# Altium PCB LimeSDR_Mini_1v3_Rounded_old.PcbDoc (part 6 of 6)
Units mm, origin at the board's own origin, x right, y up, seen from the top; angles counter-clockwise.
Board outline 69 x 31.37 mm, 8 copper layers (Top, L2, L3, L4, L5, L6, L7, Bottom), stack 1.555 mm thick; 420 components, 288 nets, 1774 pads, 821 vias.
Unrouted connection lines stored in the file: 4.
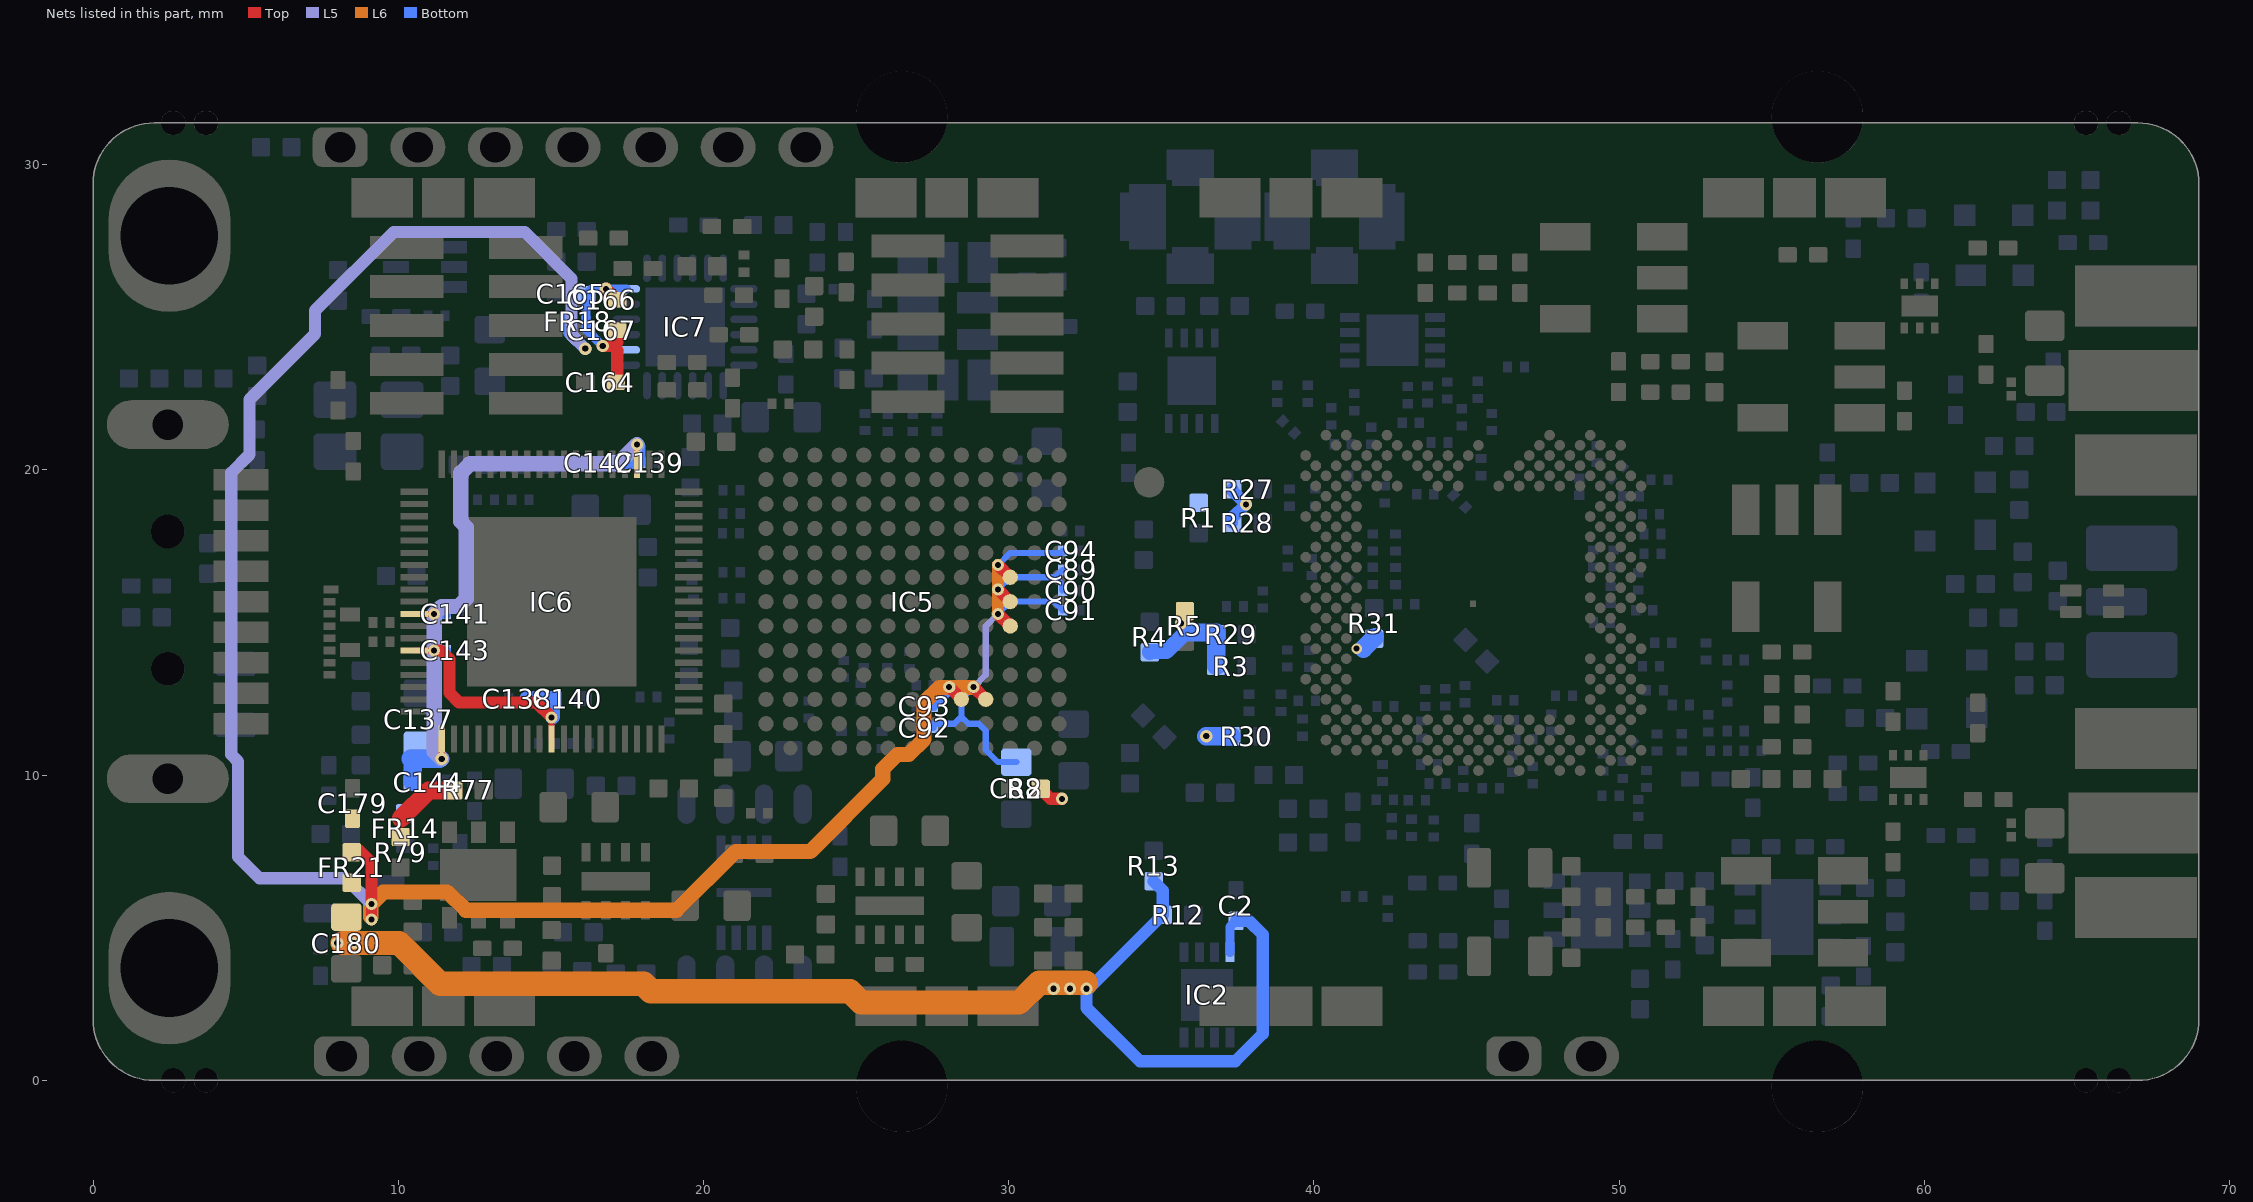
[diagram p12: the nets of this part, all layers, seen from the top]

## Via types
v1: diameter 0.4, hole 0.2, Top to Bottom, tented both sides, 601 vias
v2: diameter 0.4, hole 0.2, Top to Bottom, tented top, 99 vias
v3: diameter 0.35, hole 0.2, Top to Bottom, tented top, 79 vias
v4: diameter 0.5, hole 0.2, Top to Bottom, tented bottom, 25 vias
v5: diameter 0.35, hole 0.2, Top to Bottom, tented both sides, 9 vias
v6: diameter 0.5, hole 0.2, Top to Bottom, tented both sides, 8 vias

## Nets (pads, with @x,y where several pads share a name; then routed paths per layer and width w, separated by ;. In a path a pad name is that pad's centre, name@x,y a point inside that pad or via, vN(x,y) a via of type N, cw(c..) or ccw(c..) an arc to the next point about the centre after c; other vN are vias at no path point) (continued)
VD10_FT: C137.2 C138.2 C139.1 C140.1 C141.1 C142.1 C143.1 C144.1 FR14.1 IC6.3 IC6.30 IC6.33 IC6.39 IC6.48 | length 30.5
  Top w0.2: IC6.33@10.525,14.085 v1(11.175,14.085) ; IC6.30@10.525,15.285 v1(11.175,15.285) ; v1(11.425,10.535) IC6.39@11.425,11.185 ; IC6.48@15.025,11.185 v1@15.025,11.835 ; IC6.3@17.825,20.185 v1(17.825,20.835)
  Top w0.4: v1(11.175,14.085) 11.39,14.085 11.675,13.8 11.675,12.7 11.99,12.385 14.525,12.385 v1(15.025,11.885)
  L5 w0.5: v1(11.425,10.535) 11.175,10.785 v1(11.175,15.285) 11.415,15.525 11.975,15.525 12.225,15.775 12.225,18.134 12.05,18.309 12.05,19.907 12.343,20.2 17.19,20.2 v1(17.825,20.835)
  Bottom w0.3: v1(11.175,14.085) C143.1@11.585,14.085 ; v1(11.175,15.285) C141.1@11.585,15.285
  Bottom w0.4: C142.1@17.075,20.235 C139.1@17.87,20.235 ; v1(17.825,20.835) 17.895,20.765 C139.1@17.895,20.235
  Bottom w0.5: C138.2@14.225,12.51 C140.1@15.05,12.51 v1@15.05,11.91
  Bottom w0.6: C137.2@10.4,10.535 C137.2@10.475,10.535 ; C144.1@10.475,9.775 C137.2@10.475,10.535 ; v1@11.35,10.535 C137.2@10.475,10.535
VDIO_LMS: C2.1 C180.2 FR21.2 IC2.8 R1.2 R2.2 R3.1 R4.1 R5.2 R12.1 R13.1 R27.1 R28.1 R29.1 R30.1 R31.1 | length 51.8
  Top w0.4: R2.2@31.05,9.55 31.375,9.225 v1(31.75,9.225) ; v1(35.65,14.978) 35.775,15.103 R5.2@35.775,15.375
  L6 w0.8: v1@8.175,4.5 10.025,4.5 11.365,3.16 18.04,3.16 18.275,2.925 24.8,2.925 25.175,2.55 30.35,2.55 31,3.2 32.525,3.2
  Bottom w0.3: IC2.8@37.25,4.2 37.25,5.025 C2.1@37.45,5.225
  Bottom w0.4: v1(31.475,3) v1(32.013,3) v1(32.55,3) ; R13.1@34.75,6.525 35.05,6.225 R12.1@35.05,5.425 32.625,3 v1(32.55,3) ; R28.1@37.322,18.275 37.322,18.422 v1(37.775,18.875) 37.326,19.324 R27.1@37.326,19.371 ; C2.1@37.45,5.225 37.875,5.225 38.325,4.775 38.325,1.525 37.425,0.625 34.3,0.625 32.55,2.375 v1(32.55,3)
  Bottom w0.5: R4.1@34.625,14.025 34.625,14.053 35.175,14.053 35.8,14.678
  Bottom w0.6: 35.8,14.678 36.801,14.678 36.801,14.671 R3.1@36.8,13.575 ; v1(36.475,11.278) R30.1@37.3,11.278 ; 41.627,14.147 R31.1@42.001,14.521
  other v1: 8,4.5 8.55,4.5
  other v3: 41.401,14.146
VDIO_LMS_FPGA: C88.2 C89.1 C90.1 C91.1 C92.1 C93.1 C94.1 C179.2 FR18.1 FR21.1 IC5.J3 IC5.K3 IC5.L6 IC5.L7 IC5.L8 R77.2 R79.2 | length 88.3
  Top w0.4: FR21.1@8.725,7.525 9.118,7.132 v1(9.118,5.782) v1(9.118,5.275) ; v1(28.05,12.885) IC5.J3@28.45,12.485 ; v1(28.85,12.885) IC5.K3@29.25,12.485 ; v1(29.65,15.285) IC5.L6@30.05,14.885 ; v1(29.65,16.085) IC5.L7@30.05,15.685 ; v1(29.65,16.885) IC5.L8@30.05,16.485
  Top w0.6: 10.087,8.587 11,9.5 R77.2@11.8,9.5
  L5 w0.2: v1(28.85,12.885) 29.25,13.285 29.25,14.885 v1(29.65,15.285)
  L5 w0.4: v1(9.118,5.275) v1(9.118,5.782) 8.275,6.625 5.45,6.625 4.75,7.325 4.75,10.45 4.525,10.675 4.525,19.907 5.125,20.507 5.125,22.307 7.275,24.457 7.275,25.225 9.85,27.8 14.143,27.8 15.675,26.268 15.675,24.425 v1(16.125,23.975)
  L6 w0.4: v1@29.645,15.29 29.65,15.295 v1(29.65,16.885)
  L6 w0.5: v1@9.1,5.35 9.1,5.764 v1(9.118,5.782) 9.511,6.175 11.614,6.175 12.214,5.575 19.125,5.575 21.05,7.5 23.5,7.5 25.875,9.875 25.875,10.2 26.35,10.675 26.725,10.675 27.225,11.175 27.225,12.375 27.725,12.875 v1@28.85,12.875
  Bottom w0.2: C92.1@27.53,11.55 27.53,11.685 28.216,11.685 28.45,11.919 ; v1(28.85,12.885) 28.45,12.485 28.45,11.919 ; v1(29.65,15.285) 30.05,15.685 31.485,15.685 C91.1@31.77,15.4 ; v1(29.65,16.085) 30.05,16.485 31.53,16.485 ; v1(29.65,16.885) 30.05,17.285 31.77,17.285 C94.1@31.77,17.35 ; C88.2@30.25,10.425 29.65,10.425 29.25,10.825 29.25,11.451 29.016,11.685 28.684,11.685 28.45,11.919 ; C90.1@31.77,16.05 31.77,16.245 31.53,16.485 ; C89.1@31.77,16.725 31.53,16.485
  Bottom w0.3: C93.1@27.53,12.25 28.05,12.77 v1(28.05,12.885)
  Bottom w0.4: 15.595,25.05 FR18.1@15.595,24.875 15.595,24.505 v1(16.125,23.975)
VDIO_LMS_LMK: C164.2 C165.2 C166.2 C167.2 FR18.2 IC7.14 IC7.18 | length 6
  Top w0.4: v1(16.7,24.06) 17.04,24.06 ; v1(16.8,25.935) 16.815,25.935 C166.2@17.175,25.575 ; C164.2@17.125,22.875 17.175,22.925 17.175,23.925 17.04,24.06 ; C167.2@17.175,24.575 17.175,24.195 17.04,24.06
  Bottom w0.3: v1(16.7,24.06) 16.155,24.605 FR18.2@16.155,24.875 16.155,25.755 C165.2@16.175,25.775 16.335,25.935 v1(16.8,25.935) IC7.18@17.475,25.935
pads on no net: C1.0 C2.0 C3.0 C4.0 C5.0 C6.0 C7.0 C8.0 C9.0 C10.0 C11.0 C12.0 C13.0 C14.0 C15.0 C16.0 C17.0 C18.0 C19.0 C20.0 C21.0 C22.0 C23.0 C24.0 C25.0 C26.0 C27.0 C28.0 C29.0 C87.0 C88.0 C95.0 C102.0 C108.0 C112.0 C123.0 C124.0 C125.0 C126.0 C127.0 C128.0 C137.0 C140.0 C142.0 C144.0 C145.0 C147.0 C148.0 C149.0 C150.0 C151.0 C152.0 C153.0 C154.0 C155.0 C156.0 C157.0 C158.0 C159.0 C160.0 C161.0 C162.0 C163.0 C164.0 C165.0 C166.0 C167.0 C168.0 C169.0 C170.0 C171.0 C172.0 C173.0 C174.0 C175.0 C176.0 C177.0 C178.0 C179.0 C180.0 C181.0 C182.0 C183.0 C184.0 C185.0 C186.0 C187.0 C188.0 C189.0 C191.0 C192.0 C193.0 ESD3.9 ESD3.10 FL1.1 FR11.0 FR12.0 FR13.0 FR14.0 FR20.0 FR21.0 FR22.0 FR34.0 FR35.0 IC1.A5 IC1.A13 IC1.A21 IC1.AA1 IC1.AA3 IC1.AA5 IC1.AB2 IC1.AB4 IC1.AB6 IC1.AC3 IC1.AC5 IC1.AD2 IC1.AE1 IC1.AE5 IC1.AG3 IC1.AG33 IC1.AH2 IC1.AH4 IC1.AH32 IC1.AJ1 IC1.AJ3 IC1.AJ5 IC1.AJ11 IC1.AJ13 IC1.AJ21 IC1.AJ27 IC1.AJ29 IC1.AJ31 IC1.AJ33 IC1.AK2 IC1.AK4 IC1.AK6 IC1.AK8 IC1.AK10 IC1.AK26 IC1.AK28 IC1.AK30 IC1.AK32 IC1.AK34 IC1.AL3 IC1.AL5 IC1.AL7 IC1.AL9 IC1.AL11 IC1.AL27 IC1.AL29 IC1.AL31 IC1.AL33 IC1.AM4 IC1.AM6 IC1.AM8 IC1.AM10 IC1.AM12 IC1.AM28 IC1.AM30 IC1.AM34 IC1.AN3 IC1.AN5 IC1.AN7 IC1.AN11 IC1.AN27 IC1.AN29 IC1.AN31 IC1.AP6 IC1.AP30 IC1.AP32 IC1.B2 IC1.B4 IC1.B12 IC1.B14 IC1.B22 IC1.C1 IC1.C3 IC1.C5 IC1.C9 IC1.C11 IC1.C13 IC1.C15 IC1.C17 IC1.C19 IC1.C31 IC1.D2 IC1.D4 IC1.D8 IC1.D10 IC1.D12 IC1.D14 IC1.D18 IC1.D22 IC1.D30 IC1.D32 IC1.E3 IC1.E9 IC1.E11 IC1.E13 IC1.E15 IC1.E23 IC1.E29 IC1.E31 IC1.F2 IC1.F4 IC1.F10 IC1.F12 IC1.F14 IC1.F16 IC1.F22 IC1.F26 IC1.F32 IC1.G1 IC1.G29 IC1.J1 IC1.M2 IC1.M6 IC1.P2 IC1.R3 IC1.R5 IC1.T4 IC1.T6 IC1.U1 IC1.U3 IC1.U5 IC1.V2 IC1.V4 IC1.V6 IC1.W3 IC1.Y2 IC1.Y4 IC1.Y6 IC5.E3 IC5.E4 IC6.17 IC6.18 IC6.19 IC7.4 IC7.9 IC7.10 IC7.15 IC8.9 J4.6 J4.7 J4.8 J7.11 LED1.0 LED2.0 MN1.0 MN2.0 MN3.0 MN4.0 MN5.0 MN6.0 MN7.0 MN8.0 MN9.0 MN10.0 MN11.0 MN12.0 MN13.0 MN14.0 MN15.0 MN16.0 MN17.0 MN18.0 MN19.0 MN20.0 MN21.0 MN22.0 MN23.0 MN24.0 R1.0 R2.0 R3.0 R4.0 R5.0 R6.0 R7.0 R8.0 R9.0 R10.0 R11.0 R12.0 R13.0 R14.0 R15.0 R16.0 R17.0 R18.0 R19.0 R20.0 R21.0 R22.0 R23.0 R24.0 R25.0 R27.0 R28.0 R29.0 R30.0 R31.0 R34.0 R35.0 R36.0 R37.0 R38.0 R39.0 R40.0 R41.0 R42.0 R43.0 R44.0 R45.0 R46.0 R47.0 R48.0 R49.0 R50.0 R51.0 R52.0 R53.0 R54.0 R55.0 R56.0 R57.0 R58.0 R59.0 R60.0 R61.0 R62.0 R63.0 R64.0 R65.0 R66.0 R67.0 R68.0 R69.0 R70.0 R71.0 R72.0 R73.0 R74.0 R75.0 R76.0 R77.0 R78.0 R79.0 R80.0 R81.0 R82.0 R83.0 R84.0 R85.0 R86.0 R87.0 R88.0 R89.0 R90.0 R93.0 R94.0 R95.0 R96.0 R97.0 T1.2 T2.2 T3.2 T4.2 VT4.0 XO1.2 XO1.3 XO1.5 XO1.8 XO1.10 XT1.0

## Polygon pours and split planes (outlines as drawn)
GND on L3 "NONET_L03_P018" (solid, remove dead copper, shelved, pour order 18): 0,2 0,29.37 cw(c2,29.37) 2,31.37 67,31.37 cw(c67,29.37) 69,29.37 69,2 cw(c67,2) 67,0 2,0 cw(c2,2)
VDIO_LMS on L3 "VDIO_LMS_L03_P002" (solid, remove dead copper, pour order 2): 31.05,3.1 31.05,5.725 32.625,7.3 32.625,8.05 31.525,9.15 31.525,13.25 37.475,19.2 38.4,19.2 41.925,15.675 41.925,12.05 35.9,6.025 35.9,5.425 33.2,2.725 31.425,2.725
GND on L2 "NONET_L02_P005" (solid, remove dead copper, shelved, pour order 5): 0,2 0,29.37 cw(c2,29.37) 2,31.37 67,31.37 cw(c67,29.37) 69,29.37 69,2 cw(c67,2) 67,0 2,0 cw(c2,2)
VCC3P3 on L2 "VCC3P3_L02_P001" (solid, remove dead copper, pour order 1): 20.8,9.575 20.8,12.135 18.008,14.927 18.008,16.033 18.46,16.485 19.045,16.485 21.53,16.485 22.99,15.025 26.65,15.025 27.35,15.725 27.533,15.908 27.533,16.735 28.475,17.677 28.475,19.402 34.875,25.802 34.875,26.1 34.6,26.375 33.075,26.375 32.525,25.825 31.3,25.825 30.513,25.038 27.787,25.038 25.55,22.8 21.525,22.8 21.15,22.8 20.625,22.275 20.625,21.9 20.35,21.625 19.925,21.625 19.775,21.775 19.775,22.125 19.525,22.375 19.325,22.375 19.107,22.15 19.107,20.882 18.31,20.085 10.81,20.085 9.65,18.925 9.65,11.3 11.55,9.4 12.15,9.4 14.075,7.475 14.075,6.45 14.375,6.125 15.25,6.125 15.525,6.4 15.525,8.45 15.9,8.825 17.547,8.825 17.85,8.522 17.85,8.2 18.35,7.7 18.925,7.7
USB_GND on L2 "USB_GND_L02_P003" (solid, remove dead copper, pour order 3): 10,8.75 11.175,9.925 11.175,13.225 11.175,19.175 10.05,20.3 6.075,20.3 2.125,20.3 1.25,19.425 1.25,10.5 3,8.75
GND on L6 "NONET_L06_P021" (solid, remove dead copper, shelved, pour order 21): 0,2 0,29.37 cw(c2,29.37) 2,31.37 67,31.37 cw(c67,29.37) 69,29.37 69,2 cw(c67,2) 67,0 2,0 cw(c2,2)
VCC1P8_LMS on L6 "VCC1P8_LMS_L06_P000" (solid, remove dead copper, pour order 0): 31.65,8.35 36.9,8.35 37.275,7.975 37.901,7.975 38.276,8.35 42.55,8.35 42.925,7.975 45,7.975 46.5,6.475 50.825,6.475 51.25,6.9 51.25,18.35 47.25,22.35 38.475,22.35 38.175,22.65 38.175,23.3 39.275,24.4 48.675,24.4 57.25,15.825 57.25,9.5 55.875,8.125 55.875,4.25 52.6,0.975 51.175,0.975 49.35,2.8 35.4,2.8 31.275,6.925 31.275,7.975
GND on Top "NONET_L01_P004" (solid, remove dead copper, shelved, pour order 4): 0,2 0,29.37 cw(c2,29.37) 2,31.37 67,31.37 cw(c67,29.37) 69,29.37 69,2 cw(c67,2) 67,0 2,0 cw(c2,2)
GND on L7 "NONET_L07_P022" (solid, remove dead copper, shelved, pour order 22): 0,2 0,29.37 cw(c2,29.37) 2,31.37 67,31.37 cw(c67,29.37) 69,29.37 69,2 cw(c67,2) 67,0 2,0 cw(c2,2)
GND on Bottom "NONET_L08_P023" (solid, remove dead copper, shelved, pour order 23): 0,2 0,29.37 cw(c2,29.37) 2,31.37 67,31.37 cw(c67,29.37) 69,29.37 69,2 cw(c67,2) 67,0 2,0 cw(c2,2)
GND on L5 "NONET_L05_P020" (solid, remove dead copper, shelved, pour order 20): 0,2 0,29.37 cw(c2,29.37) 2,31.37 67,31.37 cw(c67,29.37) 69,29.37 69,2 cw(c67,2) 67,0 2,0 cw(c2,2)
GND on L4 "NONET_L04_P019" (solid, remove dead copper, shelved, pour order 19): 0,2 0,29.37 cw(c2,29.37) 2,31.37 67,31.37 cw(c67,29.37) 69,29.37 69,2 cw(c67,2) 67,0 2,0 cw(c2,2)

## Other copper
Top:
  region net GND: 11.519,14.456 11.106,14.456 11.1,14.975 11.423,14.975 11.519,15.071 11.519,15.685 12.512,15.685 12.525,15.672 12.525,13.525 12.45,13.525
  region net VCC3P3: 20.075,7.975 21.1,7.975 21.3,7.775 21.3,7.075 21.15,6.925 19.025,6.925
  region net VCC5P0_USB: 16.625,7.15 16.625,7.725 16.275,8.075 16.275,9.475 17.5,9.475 17.5,8.15 17.075,7.725 17.075,7.15
  region net VCC3P3: 18.05,8.625 19.425,8.625 20.075,7.975 20.075,7.075 19.925,6.925 18.175,6.925 17.925,7.175 17.925,8.5
  region net VCC5P0_USB: 25.6,6.35 25.6,6.925 25.25,7.275 25.25,8.675 26.475,8.675 26.475,7.35 26.05,6.925 26.05,6.35
  region net VCC1P8: 27.15,7.45 28.975,7.45 29.15,7.275 29.15,6.325 29.025,6.2 27.075,6.2 26.9,6.375 26.9,7.2
  region net GND: 54.825,19.808 55.142,20.125 58.283,20.125 61.491,16.916 61.825,17.25 58.475,20.6 54.525,20.6 54.325,20.4 54.325,20.279 54.825,19.779
  region net GND: 48.675,14.147 49.65,14.147 48.7,15.1 48.675,15.1
  region net GND: 58.725,25.575 56.69,25.575 56.69,23.733 58.725,23.733
  region net GND: 56.14,3.4 55.77,3.03 58.75,3.03 58.75,4.632 58.54,4.842 56.35,4.842 56.14,4.632
  region net GND: 53.005,19.9 53.005,17.5 54.817,17.5 54.817,19.9
  region net GND: 3.4,19.05 5.75,19.05 5.75,18.325 3.4,18.325
  region net GND: 62.275,22.125 62.025,22.125 61.9,22 61.9,21.775 61.975,21.7 62.475,21.7 63.075,22.3 63.075,22.575 62.65,22.575 62.65,22.5
  region net GND: 63,8.125 63.2,7.925 63.2,7.55 63.1,7.45 62.7,7.45 62.55,7.6 62.55,7.975 62.7,8.125
  region net VCC1P8_LMS: 57.31,10.225 57.135,10.4 56.866,10.4 56.693,10.227 56.693,9.877 57.308,9.877
  region net VCC1P8_LMS: 57.31,9.529 57.131,9.35 56.87,9.35 56.693,9.527 56.693,9.877 57.308,9.877
  region net VCC1P8_LMS: 53.675,9.529 53.854,9.35 54.116,9.35 54.293,9.527 54.293,9.877 53.677,9.877
  region net VCC1P8_LMS: 53.675,10.225 53.85,10.4 54.12,10.4 54.293,10.227 54.293,9.877 53.677,9.877
  region net VDIO_LMS_FPGA: 10.375,7.675 10.375,8.525 10.025,8.875 8.25,8.875 8.175,8.8 8.175,7.475 8.475,7.175 8.825,7.175 9.325,7.675
  region net NetIC14_4: 9.725,7.275 9.725,5.975 10.325,5.375 10.75,5.375 11.175,4.95 11.925,4.95 12,5.025 12,5.6 11.9,5.7 11.375,5.7 10.425,6.65 10.425,7.275
  region net GND: 21.45,11.275 21.45,10.885 22.05,10.885 21.66,11.275
  region net TX1_1_A_P: 48.48,9.907 48.427,9.96 48.427,10.102
  region net NetJ7_7: 4.85,15.345 4.025,15.345 3.875,15.195 3.625,15.195 3.525,15.295 3.525,15.685 4.85,15.685
  region net NetJ7_7: 4.85,16.025 4.025,16.025 3.875,16.175 3.625,16.175 3.525,16.075 3.525,15.685 4.85,15.685
  region net USB_VBUS: 3,12.375 3,12.995 4.28,12.995 4.3,12.975 4.3,12.4 4.275,12.375
  region net USB_VBUS: 5.75,13.045 3.975,13.045 3.8,13.22 3.225,13.22 3,12.995 3,12.695 5.75,12.695
  region net USB_VBUS: 5.75,12.325 3.975,12.325 3.8,12.15 3.225,12.15 3,12.375 3,12.675 5.75,12.675
  region net VCC3P3A: 21.95,8.55 21.7,8.3 21.7,7.075 22.225,7.075 22.825,7.675 22.825,8.925 22.75,9 22.025,9 21.95,8.925
  region net VCC1P8_LMS: 45.825,7.625 44.8,7.625 44.625,7.45 44.625,6.5 44.825,6.3 45.825,6.3
  region net VCC1P8_LMS: 45.825,3.408 44.8,3.408 44.625,3.583 44.625,4.533 44.825,4.733 45.825,4.733
  pour cut-out: 5.075,11.225 9.075,11.225 10.325,12.475 10.325,18.7 8.15,18.7 6.58,17.13 5.855,17.13 5.075,16.35
  region net VCC1P8: 21.125,26.875 20.95,27.05 20.95,27.575 21,27.625 21.77,27.625 21.825,27.57 21.825,27.05 21.65,26.875
  region net VDIO_LMS: 7.8,5.075 7.8,4.4 7.925,4.275 8.675,4.275 8.8,4.4 8.8,5.075
  region net GND: 49.675,28.825 50.125,28.375 50.125,27.6 50.525,27.2 52.25,27.2 53.425,28.375 53.425,28.825
  region net VCC3P3: 12.5,9.15 12.525,9.15 13.325,8.35 13.325,7.775 13.875,7.775 14.075,7.575 14.075,5.725 14.575,6.225 14.575,7.65 14.05,8.175 14.05,8.825 13.025,9.85 12.5,9.85
  region net VCC3P3: 14.575,6.225 14.575,5.65 13.9,4.975 13.325,4.975 13.325,5.675 13.9,5.675 14.125,5.9 14.125,6.225
  region net GND: 13.025,8.475 13.175,8.325 13.175,7.575 13.925,7.575 13.925,5.875 11.375,5.875 11.375,7.575 12.15,7.575 12.15,8.475
  region net VDIO_LMS: 8.8,6.775 8.1,6.775 7.8,6.475 7.8,5.6 8.8,5.6
  region net NetC11_2: 63.3,6.325 63.3,5.975 63.475,5.8 64.425,5.8 64.6,5.975 64.6,6.325
  region net NetC21_2: 63.3,25.025 63.3,25.25 64.125,26.075 64.4,26.075 64.6,25.875 64.6,25.025
  region net GND: 64.7,10.2 64.7,13.675 67.55,13.675 68.95,12.275 68.95,10.2
  region net GND: 64.7,24.7 64.7,28.175 67.55,28.175 68.95,26.775 68.95,24.7
  region net GND: 64.7,21.175 64.7,17.975 68.071,17.975 68.95,18.854 68.95,21.175
  region net GND: 64.7,6.675 64.7,3.2 67.55,3.2 68.95,4.6 68.95,6.675
  pour cut-out: 43.775,3.075 42.481,4.369 42.481,8.156 43.5,9.175 44.1,9.175 44.775,9.85 45.48,9.85 46.63,11 48.54,11 49.515,10.025 52.55,10.025 53.55,11.025 53.55,13.3 52.85,14 52.85,16.725 53.3,17.175 54.6,17.175 54.825,17.4 54.825,19.9 54.325,20.4 53,20.4 52.1,21.3 49.216,21.3 49.056,21.14 49.056,19.808 48.348,19.1 45.45,19.1 45.45,20.4 43.325,22.525 41.4,22.525 40.6,23.325 40.6,26.625 41.806,27.831 42.481,27.831 43.325,28.675 58.375,28.675 58.775,28.275 62.862,28.275 64.937,26.2 69,26.2 69,20.15 64.725,20.15 61.491,16.916 61.491,14.384 64.75,11.125 69,11.125 69,8.725 69,5.15 65.05,5.15 62.975,3.075
L2:
  pour cut-out: 53.325,7.325 55,7.325 55,6.425 53.325,6.425
  pour cut-out: 53.325,3.725 55,3.725 55,4.625 53.325,4.625
  pour cut-out: 56.505,7.325 58.18,7.325 58.18,6.425 56.505,6.425
  pour cut-out: 57.3,17.865 57.3,19.54 56.4,19.54 56.4,17.865
  pour cut-out: 53.7,14.685 53.7,16.36 54.6,16.36 54.6,14.685
  pour cut-out: 57.3,14.685 57.3,16.36 56.4,16.36 56.4,14.685
  pour cut-out: 57.055,21.25 58.73,21.25 58.73,22.15 57.055,22.15
  pour cut-out: 53.875,24.85 55.55,24.85 55.55,23.95 53.875,23.95
  pour cut-out: 53.875,21.25 55.55,21.25 55.55,22.15 53.875,22.15
  pour cut-out: 50.58,24.5 52.255,24.5 52.255,25.4 50.58,25.4
  pour cut-out: 47.4,28.1 49.075,28.1 49.075,27.2 47.4,27.2
  pour cut-out: 47.4,24.5 49.075,24.5 49.075,25.4 47.4,25.4
  pour cut-out: 53.425,22.24 52.81,22.24 52.81,22.865 53.425,22.865
  pour cut-out: 50.235,22.24 49.71,22.24 49.71,22.865 50.235,22.865
  pour cut-out: 50.235,23.86 49.71,23.86 49.71,23.235 50.235,23.235
  pour cut-out: 52.335,22.81 52.335,22.285 51.71,22.285 51.71,22.81
  pour cut-out: 50.715,22.81 50.715,22.285 51.34,22.285 51.34,22.81
  pour cut-out: 52.335,23.81 52.335,23.285 51.71,23.285 51.71,23.81
  pour cut-out: 50.715,23.81 50.715,23.285 51.34,23.285 51.34,23.81
  pour cut-out: 54.69,9.575 55.315,9.575 55.315,10.2 54.69,10.2
  pour cut-out: 55.69,9.575 56.315,9.575 56.315,10.2 55.69,10.2
  pour cut-out: 56.31,10.675 56.31,11.2 55.685,11.2 55.685,10.675
  pour cut-out: 54.69,10.675 54.69,11.2 55.315,11.2 55.315,10.675
  pour cut-out: 54.69,13.775 54.69,14.3 55.315,14.3 55.315,13.775
  pour cut-out: 56.31,13.775 56.31,14.3 55.685,14.3 55.685,13.775
  pour cut-out: 55.26,11.675 54.735,11.675 54.735,12.3 55.26,12.3
  pour cut-out: 55.26,13.295 54.735,13.295 54.735,12.67 55.26,12.67
  pour cut-out: 56.26,11.675 55.735,11.675 55.735,12.3 56.26,12.3
  pour cut-out: 56.26,13.295 55.735,13.295 55.735,12.67 56.26,12.67
  pour cut-out: 51.845,4.755 51.845,5.28 51.22,5.28 51.22,4.755
  pour cut-out: 50.225,4.755 50.225,5.28 50.85,5.28 50.85,4.755
  pour cut-out: 51.845,5.755 51.845,6.28 51.22,6.28 51.22,5.755
  pour cut-out: 50.225,5.755 50.225,6.28 50.85,6.28 50.85,5.755
  pour cut-out: 52.325,4.705 52.85,4.705 52.85,5.33 52.325,5.33
  pour cut-out: 52.325,6.325 52.85,6.325 52.85,5.7 52.325,5.7
  pour cut-out: 49.225,6.325 49.75,6.325 49.75,5.7 49.225,5.7
  pour cut-out: 49.225,4.705 49.75,4.705 49.75,5.33 49.225,5.33
  pour cut-out: 48.125,5.325 48.125,4.7 48.75,4.7 48.75,5.325
  pour cut-out: 48.125,6.325 48.125,5.7 48.75,5.7 48.75,6.325
  region net GND: 4.95,8 4.95,6.75 10.625,6.75 10.625,8
  region net USB_GND: 5.892,8.75 10,8.75 10.239,8.989 10.239,9.411 10.15,9.5 5.825,9.5 5.825,8.817
  pour cut-out: 64.72,23.937 64.72,21.937 69,21.937 69,23.937
  pour cut-out: 53.425,23.24 52.81,23.24 52.81,23.865 53.425,23.865
  pour cut-out: 47,26.49 46.5,26.49 46.5,27.115 47,27.115
  pour cut-out: 44.39,27.06 44.39,26.535 45.015,26.535 45.015,27.06
  pour cut-out: 46.01,27.06 46.01,26.535 45.385,26.535 45.385,27.06
  pour cut-out: 44.39,26.06 44.39,25.535 45.015,25.535 45.015,26.06
  pour cut-out: 46.01,26.06 46.01,25.535 45.385,25.535 45.385,26.06
  pour cut-out: 43.91,27.11 43.385,27.11 43.385,26.485 43.91,26.485
  pour cut-out: 43.91,25.49 43.385,25.49 43.385,26.115 43.91,26.115
  pour cut-out: 47,25.49 46.5,25.49 46.5,26.115 47,26.115
  pour cut-out: 63.3,7.925 63.3,8.925 64.6,8.925 64.6,7.925
  pour cut-out: 63.3,22.425 63.3,23.425 64.6,23.425 64.6,22.425
  pour cut-out: 64.72,9.437 64.72,7.437 69,7.437 69,9.437
L3:
  region net VCC5P0_USB: 5.075,10.375 5.175,10.275 5.975,10.275 6.075,10.375 6.075,11.025 5.625,11.475 5.075,11.475
  pour cut-out: 64.72,23.937 64.72,21.937 69,21.937 69,23.937
  pour cut-out: 63.3,7.925 63.3,8.925 64.6,8.925 64.6,7.925
  pour cut-out: 63.3,22.425 63.3,23.425 64.6,23.425 64.6,22.425
  pour cut-out: 64.72,9.437 64.72,7.437 69,7.437 69,9.437
L4:
  region net VCC5P0_USB: 16.225,8.55 17.35,8.55 17.6,8.3 17.6,7.15 17.3,6.85 16.225,6.85
  region net VCC5P0_USB: 24.45,7.4 24.8,7.75 26.3,7.75 26.525,7.525 26.525,6.45 26.3,6.225 25.675,6.225 25.4,5.95 24.45,6.9
  pour cut-out: 64.72,23.937 64.72,21.937 69,21.937 69,23.937
  pour cut-out: 64.72,9.437 64.72,7.437 69,7.437 69,9.437
  region net VCC1P4_LMS: 42.414,6.786 42.125,7.075 42.125,7.3 41.975,7.45 41.8,7.45 41.275,6.925 41.275,6.75 41.425,6.6 41.55,6.6 41.9,6.25 41.9,6.225
  region net VCC1P25_LMS: 50.775,7.575 50.775,7.425 50.875,7.325 50.875,7.075 50.725,6.925 50.1,6.925 49.925,7.1 49.925,7.35 50.075,7.5 50.075,7.575
L5:
  region net AVDD_FT: 10.975,9.15 10.85,9.025 10.85,8.125 10.975,8 11.375,8 11.5,8.125 11.5,9.025 11.375,9.15
  pour cut-out: 64.72,23.937 64.72,21.937 68.92,21.937 68.92,23.937
  pour cut-out: 64.72,9.437 64.72,7.437 68.92,7.437 68.92,9.437
  text "A" at 0.5,7.55 h0.7
  text "V" at 1.5,7.55 h0.7
  text "D" at 2.6,7.55 h0.7
  text "R" at 3.15,7.55 h0.7
  text "L" at 0.975,6.975 h0.7
L7:
  pour cut-out: 26.35,23.625 26.35,22.362 26.437,22.275 27.35,22.275 27.35,23.625
L6:
  region net VCC1P8: 21.075,27.2 20.95,27.325 20.95,27.5 21.437,27.987 21.825,27.6 21.825,27.3 21.725,27.2
Bottom:
  region net VCC3P3_FT: 16.775,10 16.1,10 15.85,10.25 15.85,10.575 15.225,10.575 15.1,10.45 15.1,9.225 16.35,9.225 16.775,9.65
  region net VCC3P3: 17.175,9.3 17.9,8.575 17.9,8.2 18.45,7.65 18.775,7.65 19.1,7.975 19.1,8.375 18.725,8.75 18.725,9.4 18.175,9.95 17.454,9.95 17.175,9.65
  region net VCC3P3_FT: 18.375,12.725 18.325,12.675 18.325,12.25 18.835,11.74 19.05,11.74 19.05,12.725
  region net VCC3P3_FT: 20.385,15.885 20.1,15.6 19.45,15.6 19.45,16.5 19.794,16.5 20.044,16.3 20.385,16.3 20.385,15.94
  region net VCC1P8: 22.35,11.775 22.95,11.775 23.19,11.535 23.401,11.535 23.401,10.951 23.075,10.625 22.35,10.625
  region net VCC1P8: 27.65,7.15 27.65,4.95 28.975,3.625 30.175,3.625 30.175,5.125 29.45,5.125 29.05,5.525 29.05,7.35 28.95,7.45 27.95,7.45
  region net VCC1P25_LMS: 42.5,5.979 42.421,5.9 42.2,5.9 42.075,6.025 42.5,6.45
  region net GND: 55,6.525 55,8.052 55.113,8.165 56.086,8.165 56.086,6.614 56.175,6.525
  region net GND: 56.375,3.425 55.35,3.425 54.675,4.1 54.675,4.225 56.375,4.225
  region net GND: 53.521,4.846 54.825,4.846 54.825,5.854 53.521,5.854
  region net GND: 44.95,8.45 44.95,9.52 44.875,9.595 45.5,9.595 45.52,9.575 45.425,9.48 45.425,8.55
  region net GND: 43.45,9.65 43.45,9.25 43.7,9 44.025,9 44.025,9.93 43.88,10.075
  region net GND: 25.825,24.825 26.2,24.45 26.2,23.625 25.975,23.4 25.325,23.4 25.25,23.475 25.25,23.55 25.525,23.825 25.525,24.2 25.35,24.375 25.35,24.825
  region net GND: 35.025,3.175 37.825,3.175 37.825,2.425 35.025,2.425
  region net GND: 5.425,12.367 4.275,12.367 4.275,12.158 5.425,12.158
  region net GND: 38.204,29.354 38.204,27.246 38.421,27.246 38.421,29.354
  region net GND: 68.461,16.711 67.7,15.95 67.7,15.421 68.461,14.66
  region net GND: 33.304,29.19 34.613,30.5 35.175,30.5 35.175,29.5 34.35,28.675 33.3,28.675
  region net GND: 42.125,25.4 42.125,23.25 42.975,23.25 42.975,25.4
  region net VCC3P3: 21.345,17.75 21.345,17.87 21.5,18.025 21.395,18.13 21.3,18.13 21.197,18.027 21.197,17.75
  region net GND: 25.8,24.275 25.85,24.325 25.85,24.65 25.75,24.75 25.2,24.75 25,24.55 25,24.375 25.1,24.275
  region net GND: 36.625,24.65 37.25,24.65 37.45,24.45 37.45,21.3 37.35,21.2 35.6,21.2 35.6,21.85 36.95,21.85 36.95,23.95 36.625,23.95
  region net NetC153_2: 24.1,25.475 24.4,25.775 24.4,26.125 23.925,26.6 23.5,26.6 23.075,26.175 23.075,25.775 23.375,25.475
  region net NetC21_2: 64.875,27.1 64.525,27.1 64,27.625 64,28.8 65.8,28.8 65.8,28.275 65.2,27.675 65.2,27.425
  region net NetC11_2: 62.5,7.325 64.225,7.325 64.425,7.125 64.425,5.725 64.228,5.528 62.5,5.528
  region net VCC1P8_LMS: 57.49,10.75 56.975,10.75 56.775,10.55 56.775,9.25 56.975,9.05 57.49,9.05
  region net VCC1P8_LMS: 44.042,3.392 44.133,3.3 44.892,3.3 45.1,3.508 45.1,4.067 44.042,4.067
  region net GND: 64.598,24.625 64.598,26.348 65.216,26.966 68.95,26.966 68.95,24.625
  region net GND: 64.598,24.77 64.598,24.453 68.95,24.453 68.95,24.77
  region net GND: 64.598,20.33 64.598,18.375 68.95,18.375 68.95,20.33
  region net GND: 64.598,20.33 64.598,21.15 68.796,21.15 68.796,20.33
  region net GND: 65.025,11.74 65.025,12.575 68.796,12.575 68.796,11.74
  region net GND: 12.142,18.422 17,18.425 17.714,17.711 17.714,13.039 17.671,12.996 12.153,12.996
  region net GND: 43.225,16.51 43.71,16.025 43.71,15.075 42.8,15.075 42.8,13.325 44.95,13.325 44.95,13.392 43.975,14.367 43.975,14.6 44.825,15.45 45.1,15.45 46.775,13.775 48.278,13.775 48.278,14.328 48.675,14.725 48.675,17.428 48.187,17.916 48.187,20.338 46.85,21.675 46.35,21.675 46.35,20.525 45.975,20.15 45.975,18.625 45.475,18.125 44.75,18.125 44.175,18.7 43.225,18.7
  region net NetJ7_7: 4.125,16.9 4.2,16.825 4.2,15.3 4.125,15.225 3.425,15.225 3.35,15.3 3.35,16.825 3.425,16.9
  region net VD10_FT: 10.575,8.45 10.575,8.75 10.775,8.95 10.775,11.335 10.675,11.435 9.86,11.435 9.55,11.125 9.55,8.775 9.9,8.425 10.55,8.425
  region net VCC3P3_CLK: 11.375,25.425 11.4,25.45 12.075,25.45 12.6,24.925 12.6,24.375 11.675,24.375 11.375,24.675
  region net VCC3P3_FT: 13.625,19.745 13.875,19.495 13.875,18.845 13,18.845 13,19.495 13.25,19.745
  region net VCC3P3_FT: 15.225,10.325 14.975,10.575 14.975,11.225 15.85,11.225 15.85,10.575 15.6,10.325
  region net NetC45_1: 38.988,21.345 39.501,21.857 39.501,22.157 39.501,22.282 39.401,22.382 38.276,22.382 38.251,22.357 38.251,22.082
  region net GND: 40.398,18.487 40.398,17.654 40.201,17.457 39.276,17.457 39.251,17.482 39.251,18.682 39.351,18.782 40.102,18.782
  region net VDIO_LMS: 41.226,14.232 41.776,14.782 42.026,14.782 42.026,14.257 41.626,13.857 41.426,13.857 41.226,14.057
  region net GND: 44.851,19.832 45.001,19.982 45.601,19.982 45.601,19.657 45.426,19.482 44.976,19.482
  region net NetC163_1: 9.5,26.2 9.5,25.025 9.75,24.775 11.075,24.775 11.175,24.875 11.175,25.5 10.475,26.2
  region net VDIO_LMS: 37.052,18.023 36.3,18.775 36.3,19.075 36.946,19.721 37.626,19.721 37.775,19.572 37.775,18.698
  region net USB_VBUS: 7.8,11.95 8.125,11.625 8.125,11.125 8.625,10.625 9.125,10.625 9.275,10.475 9.275,9.975 9.125,9.825 7.45,9.825 6.725,10.55 6.725,11.95
  region net VCC1P8_LMS: 44.042,4.742 44.125,4.825 44.9,4.825 45.1,4.625 45.1,4.067 44.042,4.067
  region net VCC1P8_LMS: 53.025,9.525 53.208,9.342 54.108,9.342 54.407,9.64 54.407,9.875 53.025,9.875
  region net VCC1P8_LMS: 53.025,10.225 53.208,10.408 54.108,10.408 54.283,10.233 54.283,9.875 53.025,9.875
  region net NetC45_1: 38.251,22.082 38.251,21.874 38.78,21.345 38.988,21.345
  pour cut-out: 4.55,14.225 4.55,19.175 5,19.625 8.3,19.625 8.75,19.175 8.75,14.25 8.25,13.75 5.025,13.75
  region net USB_VBUS: 5.75,12.35 5.95,12.35 7.05,11.25 7.75,11.25 8.125,11.625 8.125,13.125 7.575,13.675 5.75,13.675
  region net VCC5P0_USB: 4.025,12.05 4.025,10.925 4.75,10.2 5.825,10.2 5.975,10.35 5.975,11.575 5.5,12.05
  region net USB_VBUS: 5.75,13.675 5.375,14.05 3.975,14.05 3.55,14.05 3.125,13.625 3.125,13.2 3,13.075 3,12.275 3.125,12.15 3.825,12.15 4.15,12.475 5.625,12.475 5.75,12.35
  region net VDIO_LMS: 35.425,14.65 35.425,15.075 35.55,15.2 35.95,15.2 36.225,14.925 36.225,14.65
  region net VDIO_LMS_LMK: 16.55,24.275 16.95,24.275 17.075,24.15 17.8,24.15 17.925,24.025 17.925,23.875 17.85,23.8 16.925,23.8 16.85,23.875 16.6,23.875 16.5,23.975 16.5,24.225
  region net VCC1P8_LMS: 31.375,3.625 32.175,3.625 32.5,3.95 32.5,7.85 32.05,8.3 31.375,8.3 30.925,7.85 30.925,4.075
  region net GND: 27.55,22.234 27.55,21.93 27.65,21.83 27.042,21.826 27.125,21.93 27.45,21.93 27.45,22.234
  region net GND: 20.125,23.45 20.5,23.075 20.5,22.375 21.325,21.55 21.525,21.55 21.95,21.975 21.95,22.725 21.525,23.15 20.925,23.15 20.625,23.45
  region net GND: 18.15,22.633 18.65,22.633 18.65,23.75 18.15,23.25 18.15,22.773
  region net GND: 25.05,20.7 24.7,20.7 24.025,21.375 24.025,22.1 24.2,22.275 26.05,22.275 26.225,22.1 27.475,22.1 27.475,21.675 24.975,21.675 24.85,21.55 24.85,20.885 25.04,20.885 25.05,20.875
  region net GND: 8.925,24.775 8.8,24.9 8.8,25.025 8.725,25.1 8.425,25.1 8.025,24.7 8.025,25.7 9.4,25.7 9.4,24.775
  region net GND: 15.639,26.462 15.639,26.289 15.475,26.125 15.25,26.125 15.2,26.175 15.2,26.325 15.225,26.35 15.527,26.35
  region net VCC3P3: 21.05,17.75 21.05,18.675 20.875,18.85 21.248,18.85 21.345,18.753 21.345,18.065 21.345,17.75
  region net GND: 10.017,3.825 8.9,3.825 8.9,4.522 8.84,4.582 9.083,4.825 10.385,4.825 10.385,4.193
  region net AVDD_FT: 9.925,7.45 12.225,7.45 12.275,7.5 12.275,8.206 11.459,8.9 11.025,8.9 10.95,8.825 10.95,8.425 10.8,8.275 9.875,8.275 9.875,7.5
  region net VCC1P8_LMS: 44.042,6.967 44.8,7.725 45.1,7.725 45.1,6.967
  region net VCC1P8_LMS: 44.042,6.292 44.133,6.2 44.675,6.2 45.1,6.625 45.1,6.967 44.042,6.967
  region net GND: 11.8,10.362 11.562,10.125 11.175,10.125 11.175,9.425 11.275,9.325 12.85,9.325 12.875,9.35 12.875,10 12.85,10 12.7,10.15 12.177,10.15 12.009,10.319
  region net GND: 64.598,21.105 64.598,21.34 64.68,21.421 68.95,21.421 68.95,21.105
  region net GND: 64.691,12.461 64.691,9.953 68.95,9.953 68.95,12.461
  region net GND: 64.691,6.605 64.691,4.413 68.95,4.413 68.95,6.605
  region net GND: 64.598,6.605 64.598,6.921 68.95,6.921 68.95,6.605
  region net GND: 37.825,3.175 38,3 38,1.975 37.75,1.725 37.625,1.85 37.625,3.175
  region net NetC53_1: 37.95,12.9 38.125,12.725 38.559,12.725 38.887,13.053 38.625,13.315 38.625,13.575
  region net GND: 48.775,6.025 47.275,6.025 46.875,5.625 46.875,5.1 48.775,5.1
  region net GND: 50.125,4.325 50.125,3.85 49.775,3.5 49.175,3.5 48.425,4.25 48.425,4.325
  region net VCC1P8_LMS: 50.336,2.63 50.1,2.394 50.1,1.85 50.1,1.25 50.45,0.9 50.975,0.9 51.675,0.9 51.675,1.55 51.175,1.55 50.975,1.75 50.975,2.349 50.694,2.631
  region net NetC75_1: 44.676,20.607 44.676,21.132 44.776,21.232 45.051,21.232 45.076,21.207 45.076,20.907 44.851,20.682 44.733,20.564
  region net NetC75_1: 45.076,21.207 45.076,21.549 45.025,21.6 44.675,21.6 44.675,21.133 44.676,21.132
  region net NetC76_1: 49.725,19.95 49.525,20.15 49.525,20.4 49.075,20.4 49.075,18.875 49.265,18.685 49.725,19.145
  region net VCC1P25_LMS: 50.475,6.625 50.125,6.975 50.05,6.975 49.625,7.4 49.625,7.425 50.75,7.425 51.55,6.625
  region net NetC59_1: 44.45,19.025 44.55,18.925 44.825,19.2 44.4,19.625 44.4,19.65 43.775,19.025

## Silkscreen, mask and mechanical layers (free items; w line width, h text height)
TopOverlay:
  drawing of 631 lines, arcs and shapes, not listed
  text "TCK" at 31.9,30.05 h0.7
  text "TDO" at 34.475,30.05 h0.7
  text "TMS" at 37.125,30.05 h0.7
  text "TDI" at 39.725,30.05 h0.7
  text "VCC1P8" at 42.15,30.05 h0.7
  text "GND" at 29.225,30.025 h0.7
  text "VCC5P0_USB" at 46.775,29.925 h0.7
  text "v1.3" at 5.825,28.725 h1.3 r90
  text "FPGA JTAG" at 16.825,28.575 h0.7
  text "RX" at 67.925,27.4 h1.7 r90
  text "Mini" at 5.825,26 h1.3 r90
  text "Lime" at 4.6,23.1 h1.3 r90
  text "SDR" at 5.825,23.1 h1.3 r90
  text "FPGA GPIO" at 34.05,20.875 h0.7 r90
  text "USB3.0" at 7.825,16.75 h0.7 r90
  text "LMS7002M" at 38.95,11.675 h0.9 r90
  text "ALTERA MAX10" at 33.675,10.6 h0.7 r90
  text "VCC3P3A" at 21.825,8.95 h0.55
  text "VCC" at 28.825,7.925 h0.55
  text "1P8" at 28.925,7.1 h0.55
  text "BOM VER" at 30.75,6.825 h0.55
  text "2" at 29.8,5.675 h0.55
  text "1" at 29.775,4.55 h0.55
  text "0" at 29.775,3.525 h0.55
  text "VCC3P3" at 20.05,2.75 h0.55 r90
  text "VCC" at 48.225,1.325 h0.55
  text "GND" at 4.25,0.275 h0.7
  text "VCC3P3" at 35.775,0.225 h0.7
  text "VCC1P8" at 40.375,0.225 h0.7
  text "TX" at 67.925,0.225 h1.7 r90
  text "EGPIO(0-1)" at 28.575,0.175 h0.7
  text "FAN" at 51,0.175 h0.55
BottomOverlay:
  drawing of 460 lines, arcs and shapes, not listed
  text "OUT" at 36.65,30.65 h0.55
  text "IN" at 41.075,30.65 h0.55
  text "RX" at 68.775,30.225 h1.7 r90
  text "REF / CLK" at 45.3,25.275 h0.65
  text "TX" at 68.775,4.775 h1.7 r90
TopSolder:
  region: 8.425,3.025 8.425,3.425 8.85,3.425 8.85,3.025
  region: 62.65,22.675 62.65,22.625 63.05,22.625 63.05,22.675
  region: 64.15,23.475 64.85,23.475 64.85,22.375 64.15,22.375
  region: 64.3,8.975 64.8,8.975 64.8,7.875 64.3,7.875
  region: 62.65,8.3 62.65,8.125 63.05,8.125 63.05,8.3
  region: 7.475,13.1 8.05,13.1 8.05,16.275 7.475,16.275
BottomSolder:
  drawing of 30 lines, arcs and shapes, not listed
Mechanical1:
  lines w0.1: 1.725,-5 1.725,-0.025 ; 1.725,31.395 1.725,36.37 ; 2.025,-0.025 ccw(c2,-0.025) 2,0 ; 4.7,-5 4.7,-0.025 ; 4.7,31.395 4.7,36.37 ; 30.675,1.725 30.875,1.25 ; 31.075,1.725 30.875,1.25 ; 31.9,3 30.875,1.975 30.875,1.25 ; 43.375,3.175 44.4,2.15 62.575,2.15 62.7,2.025 62.7,1.3 ; 62.5,1.775 62.7,1.3 ; 62.9,1.775 62.7,1.3 ; 64.3,-5 64.3,-0.025 ; 64.3,31.395 64.3,36.37 ; 67.275,-5 67.275,-0.025 ; 67.275,31.395 67.275,36.37 ; 2,0 cw(c2,2) 0,2 0,29.37 cw(c2,29.37) 2,31.37 67,31.37 cw(c67,29.37) 69,29.37 69,2 cw(c67,2) 67,0 2,0
  lines w0.2: 25.023,31.308 ccw(c26.5,31.57) 27.973,31.283 ; 25.027,0.087 cw(c26.5,-0.2) 27.977,0.062 ; 55.027,0.087 cw(c56.5,-0.2) 57.977,0.062 ; 55.027,31.283 ccw(c56.5,31.57) 57.977,31.308 ; 0.9,3.13 ccw(c2.5,3.13) 4.1,3.13 4.1,4.23 ccw(c2.5,4.23) 0.9,4.23 0.9,3.13 ; 0.9,27.13 ccw(c2.5,27.13) 4.1,27.13 4.1,28.23 ccw(c2.5,28.23) 0.9,28.23 0.9,27.13
  text "NOTE: mounting cutout hole radius with the center offset to the outside of the PCB by 0.2mm" at 31,26.6 h0.7
  text "NOTE: mounting/30mm FAN slots / 2x 3.2mm x 4.3mm  / 24mm distance between centers to fit 30mm FAN." at 0.625,20.225 h0.7
  text "Local Fiducial" at 31.65,16.35 h0.7
  text "Vendor logo, date code,  / RoHS (placed on bottom). / Possible places are marked." at 30.125,3.15 h0.55
ASM BOT:
  drawing of 265 lines, arcs and shapes, not listed
  text "Assembly bottom" at 61.675,29.85 h1.25
  text "Assembly note: / LED2 can be mounted sticking out of  / the board or not. If mounted, the  / default position is  / sticking out." at 65.175,18.55 h0.35 r270
ASM TOP:
  lines w0.1: 1.525,9.85 1.85,11.1 ; 2.075,21.25 2.7,16.85 ; 8.225,2.7 9.975,3.775 ; 15.525,26.7 17.85,26.6 ; 18.55,21.9 19.3,22.625 ; 19,27.8 19.95,26.675 ; 19.2,19.825 20.25,20.925 ; 20.95,22.525 22.7,20 ; 22.425,22.15 23.45,21.3 ; 22.875,27.675 22.875,30.75 34.475,30.75 34.475,27.9 ; 32.55,22.05 38.575,22.05 38.575,27.9 32.55,27.9 32.55,22.05
  lines w0.2: 18.025,23.075 18.025,25.8 ; 21.775,23.025 23.6,23.025 23.6,22 24.8,22 ; 22.2,27.9 24.725,27.9
  lines w0.3: 0,2 ccw(c2,2) 2,0 67,0 ccw(c67,2) 69,2 69,29.37 ccw(c67,29.37) 67,31.37 2,31.37 ccw(c2,29.37) 0,29.37 0,2
  text "Assembly top" at 52.975,29.825 h1.25
  text "ASSEMBLY NOTE: / J7 mechanical mechanical holes must be soldered for mechanical durability." at 6.05,9.075 h0.55 r90

## Dimensions
26.5,1.3 to 56.5,1.3 on Mechanical1
26.5,30.07 to 26.5,1.3 on Mechanical1
26.5,31.57 to 31.306,26.764 on Mechanical1
2.5,3.68 to 2.5,27.68 on Mechanical1

## Text inside footprints (layer, text, board x,y; h text height)
IC1: ASM TOP "1) paste/pad ratio ~60% / 2) 4 thermal pad vias  / without metal cap / 3) all other thermal pad  / vias with metal cap" at 40.434,9.684 h0.4; ASM TOP "Pad size = 0.35mm / Pad paste mask = 0.35mm / No AM2 pad" at 39.359,17.059 h0.4; ASM TOP "Footprint revision: r5" at 39.309,20.859 h0.4; Mechanical1 "0.2mm/0.5mm hole/ring vias under   / pad to be left open (no metal cap)" at 38.309,20.009 h0.35
J4: TopOverlay "1" at 8.425,27.25 h0.55; TopOverlay "2" at 14.85,28.25 h0.55; TopOverlay "10" at 15.925,21.55 h0.55
J5: TopOverlay "1" at 24.85,27.825 h0.55 r90; TopOverlay "9" at 24.85,21.625 h0.55 r90; TopOverlay "2" at 32.9,27.025 h0.55 r90; TopOverlay "10" at 32.9,21.95 h0.55 r90
J8: ASM BOT "in" at 41.075,27.075 h0.55
J9: ASM BOT "in" at 37.05,27.175 h0.55
LED1: ASM TOP "A" at 66.3,15.46 h0.55; ASM TOP "C" at 64.45,15.45 h0.55
LED2: ASM BOT "C1" at 67.425,13.5 h0.55 r270; ASM BOT "A" at 67.4,17.275 h0.55 r270
T1: Mechanical13 "Pri*" at 53.8,14.11 h0.2; Mechanical13 "Pri" at 56.6,14.11 h0.2; Mechanical13 "Sec*" at 53.8,19.91 h0.2; Mechanical13 "Sec" at 56.5,19.91 h0.2; Mechanical13 "NC" at 55.3,19.91 h0.2
T2: Mechanical13 "NC" at 58.55,5.725 h0.2 r270; Mechanical13 "Sec" at 58.55,4.525 h0.2 r270; Mechanical13 "Sec*" at 58.55,7.225 h0.2 r270; Mechanical13 "Pri" at 52.75,4.425 h0.2 r270; Mechanical13 "Pri*" at 52.75,7.225 h0.2 r270
T3: Mechanical13 "Pri*" at 46.825,28 h0.2 r270; Mechanical13 "Pri" at 46.825,25.2 h0.2 r270; Mechanical13 "Sec*" at 52.625,28 h0.2 r270; Mechanical13 "Sec" at 52.625,25.3 h0.2 r270; Mechanical13 "NC" at 52.625,26.5 h0.2 r270
T4: Mechanical13 "NC" at 59.1,23.25 h0.2 r270; Mechanical13 "Sec" at 59.1,22.05 h0.2 r270; Mechanical13 "Sec*" at 59.1,24.75 h0.2 r270; Mechanical13 "Pri" at 53.3,21.95 h0.2 r270; Mechanical13 "Pri*" at 53.3,24.75 h0.2 r270